# Allegro board 8880F5-0826_3.brd (continued)
## Routing (per net, layer and track width the routed paths; a pad name or vN(x,y) marks a point on that pad's centre or on a via; arc(x,y) is an arc through that point) (continued)
; D231.A4 193.04,372.57 ; D231.A4 193.85,373.38 ; D231.A4 192.23,373.38 ; 238.76,83.11 D321.A3 ; D321.A3 238.05,83.82 ; D321.A3 239.47,83.82 ; D321.A3 238.76,84.53 ; 161.85,71.12 D318.B2 ; D318.B2 162.56,71.83 ; D318.B2 163.27,71.12 ; D318.B2 162.56,70.41 ; 170.18,32.21 D120.A5 ; D120.A5 169.37,33.02 ; D120.A5 170.99,33.02 ; D120.A5 170.18,33.83 ; D305.A4 388.62,87.07 ; D305.A4 388.62,85.65 ; D305.A4 389.33,86.36 ; D305.A4 387.91,86.36 ; SITE4.G20 332.63,186.91 ; SITE4.G20 333.11,186.43 ; SITE4.G20 332.63,185.95 ; SITE4.G20 332.15,186.43 ; D431.B9 181.15,381 ; D431.B9 179.53,381 ; D431.B9 180.34,381.81 ; D431.B9 180.34,380.19 ; D114.A7 333.55,355.6 ; D114.A7 332.74,356.41 ; D114.A7 331.93,355.6 ; D114.A7 332.74,354.79 ; 175.26,88.19 D317.B7 ; D317.B7 175.97,88.9 ; D317.B7 174.55,88.9 ; D317.B7 175.26,89.61 ; 187.25,91.44 D317.B12 ; D317.B12 187.96,90.73 ; D317.B12 187.96,92.15 ; D317.B12 188.67,91.44 ; 111.76,93.17 D129.A11 ; D129.A11 112.57,93.98 ; D129.A11 111.76,94.79 ; D129.A11 110.95,93.98 ; 121.11,73.66 D130.A15 ; D130.A15 121.92,74.47 ; D130.A15 122.73,73.66 ; D130.A15 121.92,72.85 ; D322.A7 249.63,63.5 ; D322.A7 248.92,64.21 ; D322.A7 248.92,62.79 ; D322.A7 248.21,63.5 ; 194.77,58.42 D119.B15 ; D119.B15 195.58,59.23 ; D119.B15 195.58,57.61 ; D119.B15 196.39,58.42 ; D104.A11 332.74,33.83 ; D104.A11 332.74,32.21 ; D104.A11 331.93,33.02 ; D104.A11 333.55,33.02 ; D122.B8 252.27,81.28 ; D122.B8 251.46,82.09 ; D122.B8 251.46,80.47 ; D122.B8 250.65,81.28 ; D104.B13 337.82,38.91 ; D104.B13 337.01,38.1 ; D104.B13 338.63,38.1 ; D104.B13 337.82,37.29 ; D318.B3 165.1,69.29 ; D318.B3 164.39,68.58 ; D318.B3 165.81,68.58 ; D318.B3 165.1,67.87 ; 160.02,62.79 D318.A1 ; D318.A1 159.31,63.5 ; D318.A1 160.73,63.5 ; D318.A1 160.02,64.21 ; D127.A15 49.07,53.34 ; D127.A15 47.45,53.34 ; D127.A15 48.26,54.15 ; D127.A15 48.26,52.53 ; D302.B1 307.34,69.29 ; D302.B1 308.05,68.58 ; D302.B1 307.34,67.87 ; D302.B1 306.63,68.58 ; D131.B10 109.22,61.77 ; D131.B10 110.03,60.96 ; D131.B10 108.41,60.96 ; D131.B10 109.22,60.15 ; 174.45,410.21 DPS8.C11 ; DPS8.C11 175.26,411.02 ; DPS8.C11 175.26,409.4 ; DPS8.C11 176.07,410.21 ; D106.A1 381.81,73.66 ; D106.A1 381,72.85 ; D106.A1 381,74.47 ; D106.A1 380.19,73.66 ; D231.A11 175.26,376.73 ; D231.A11 175.26,375.11 ; D231.A11 176.07,375.92 ; D231.A11 174.45,375.92 ; D321.B2 236.93,91.44 ; D321.B2 236.22,92.15 ; D321.B2 236.22,90.73 ; D321.B2 235.51,91.44 ; D118.A5 170.99,73.66 ; D118.A5 169.37,73.66 ; D118.A5 170.18,72.85 ; D118.A5 170.18,74.47 ; SITE1.G20 253.11,246.43 ; SITE1.G20 252.15,246.43 ; SITE1.G20 252.63,246.91 ; SITE1.G20 252.63,245.95 ; D119.B7 176.07,58.42 ; D119.B7 174.45,58.42 ; D119.B7 175.26,59.23 ; D119.B7 175.26,57.61 ; 200.66,385.27 D431.A1 ; D431.A1 200.66,386.89 ; D431.A1 201.47,386.08 ; D431.A1 199.85,386.08 ; 316.79,88.9 D301.B5 ; D301.B5 318.21,88.9 ; D301.B5 317.5,88.19 ; D301.B5 317.5,89.61 ; 326.95,68.58 D302.B9 ; D302.B9 328.37,68.58 ; D302.B9 327.66,67.87 ; D302.B9 327.66,69.29 ; 390.45,68.58 D306.B5 ; D306.B5 391.16,67.87 ; D306.B5 391.87,68.58 ; D306.B5 391.16,69.29 ; D111.B14 388.62,369.11 ; D111.B14 388.62,367.49 ; D111.B14 389.43,368.3 ; D111.B14 387.81,368.3 ; D122.B2 236.22,82.09 ; D122.B2 236.22,80.47 ; D122.B2 237.03,81.28 ; D122.B2 235.41,81.28 ; 329.39,76.2 D102.A10 ; D102.A10 330.2,75.39 ; D102.A10 330.2,77.01 ; D102.A10 331.01,76.2 ; 388.62,392.89 D112.A14 ; D112.A14 388.62,394.51 ; D112.A14 387.81,393.7 ; D112.A14 389.43,393.7 ; D321.A1 233.68,84.53 ; D321.A1 233.68,83.11 ; D321.A1 232.97,83.82 ; D321.A1 234.39,83.82 ; 403.05,393.7 D112.A8 ; D112.A8 403.86,394.51 ; D112.A8 404.67,393.7 ; D112.A8 403.86,392.89 ; 271.78,70.41 D322.B16 ; D322.B16 271.78,71.83 ; D322.B16 272.49,71.12 ; D322.B16 271.07,71.12 ; D126.A12 40.64,77.01 ; D126.A12 39.83,76.2 ; D126.A12 41.45,76.2 ; D126.A12 40.64,75.39 ; D130.B8 104.14,82.09 ; D130.B8 103.33,81.28 ; D130.B8 104.14,80.47 ; D130.B8 104.95,81.28 ; SITE2.G19 331.43,246.91 ; SITE2.G19 330.95,246.43 ; SITE2.G19 331.43,245.95 ; SITE2.G19 331.91,246.43 ; 238.76,339.55 CSDPS425.C15 ; CSDPS425.C15 238.76,341.17 ; CSDPS425.C15 239.57,340.36 ; CSDPS425.C15 237.95,340.36 ; D120.A16 198.93,35.56 ; D120.A16 198.12,34.75 ; D120.A16 197.31,35.56 ; D120.A16 198.12,36.37 ; D119.A14 193.85,55.88 ; D119.A14 193.04,56.69 ; D119.A14 193.04,55.07 ; D119.A14 192.23,55.88 ; D130.B12 115.11,81.28 ; D130.B12 113.49,81.28 ; D130.B12 114.3,82.09 ; D130.B12 114.3,80.47 ; 319.23,40.64 D104.B6 ; D104.B6 320.04,39.83 ; D104.B6 320.04,41.45 ; D104.B6 320.85,40.64 ; 261.62,331.93 CSDPS225.B6 ; CSDPS225.B6 261.62,333.55 ; CSDPS225.B6 262.43,332.74 ; CSDPS225.B6 260.81,332.74 ; D125.A11 38.1,94.79 ; D125.A11 37.29,93.98 ; D125.A11 38.1,93.17 ; D125.A11 38.91,93.98 ; 337.11,88.9 D301.B13 ; D301.B13 338.53,88.9 ; D301.B13 337.82,89.61 ; D301.B13 337.82,88.19 ; 104.14,55.07 D131.A8 ; D131.A8 104.14,56.69 ; D131.A8 103.33,55.88 ; D131.A8 104.95,55.88 ; 161.75,332.74 CSDPS229.B16 ; CSDPS229.B16 162.56,333.55 ; CSDPS229.B16 163.37,332.74 ; CSDPS229.B16 162.56,331.93 ; 386.08,334.47 D109.A15 ; D109.A15 386.08,336.09 ; D109.A15 385.27,335.28 ; D109.A15 386.89,335.28 ; 309.07,327.66 D113.B16 ; D113.B16 310.69,327.66 ; D113.B16 309.88,326.85 ; D113.B16 309.88,328.47 ; 307.34,77.93 D102.B1 ; D102.B1 306.53,78.74 ; D102.B1 307.34,79.55 ; D102.B1 308.15,78.74 ; D131.A4 94.79,55.88 ; D131.A4 93.98,56.69 ; D131.A4 93.98,55.07 ; D131.A4 93.17,55.88 ; D125.A16 51.61,96.52 ; D125.A16 50.8,95.71 ; D125.A16 49.99,96.52 ; D125.A16 50.8,97.33 ; D302.A2 310.59,66.04 ; D302.A2 309.88,66.75 ; D302.A2 309.88,65.33 ; D302.A2 309.17,66.04 ; D431.B8 183.69,378.46 ; D431.B8 182.07,378.46 ; D431.B8 182.88,377.65 ; D431.B8 182.88,379.27 ; D129.B10 110.03,101.6 ; D129.B10 109.22,100.79 ; D129.B10 109.22,102.41 ; D129.B10 108.41,101.6 ; 99.06,80.47 D130.B6 ; D130.B6 99.87,81.28 ; D130.B6 99.06,82.09 ; D130.B6 98.25,81.28 ; D110.A14 388.62,353.87 ; D110.A14 388.62,352.25 ; D110.A14 387.81,353.06 ; D110.A14 389.43,353.06 ; D431.B5 190.5,381.81 ; D431.B5 191.31,381 ; D431.B5 190.5,380.19 ; D431.B5 189.69,381 ; 261.62,39.83 D124.B12 ; D124.B12 261.62,41.45 ; D124.B12 262.43,40.64 ; D124.B12 260.81,40.64 ; D130.B14 120.19,81.28 ; D130.B14 118.57,81.28 ; D130.B14 119.38,82.09 ; D130.B14 119.38,80.47 ; D107.B6 394.51,60.96 ; D107.B6 392.89,60.96 ; D107.B6 393.7,61.77 ; D107.B6 393.7,60.15 ; D118.A14 193.85,76.2 ; D118.A14 192.23,76.2 ; D118.A14 193.04,77.01 ; D118.A14 193.04,75.39 ; D231.B11 176.07,370.84 ; D231.B11 175.26,370.03 ; D231.B11 175.26,371.65 ; D231.B11 174.45,370.84 ; D122.B4 242.11,81.28 ; D122.B4 241.3,82.09 ; D122.B4 240.49,81.28 ; D122.B4 241.3,80.47 ; D119.B4 167.64,61.77 ; D119.B4 167.64,60.15 ; D119.B4 166.83,60.96 ; D119.B4 168.45,60.96 ; 314.15,373.38 D115.A14 ; D115.A14 314.96,372.57 ; D115.A14 314.96,374.19 ; D115.A14 315.77,373.38 ; D123.B1 234.49,58.42 ; D123.B1 233.68,59.23 ; D123.B1 232.87,58.42 ; D123.B1 233.68,57.61 ; 390.35,38.1 D108.B5 ; D108.B5 391.97,38.1 ; D108.B5 391.16,37.29 ; D108.B5 391.16,38.91 ; 321.77,410.21 DPS2.C11 ; DPS2.C11 323.39,410.21 ; DPS2.C11 322.58,411.02 ; DPS2.C11 322.58,409.4 ; 50.8,55.07 D127.A16 ; D127.A16 51.61,55.88 ; D127.A16 49.99,55.88 ; D127.A16 50.8,56.69 ; 159.21,33.02 D120.A1 ; D120.A1 160.83,33.02 ; D120.A1 160.02,32.21 ; D120.A1 160.02,33.83 ; D104.A4 315.77,35.56 ; D104.A4 314.96,34.75 ; D104.A4 314.15,35.56 ; D104.A4 314.96,36.37 ; 261.62,85.65 D321.A12 ; D321.A12 261.62,87.07 ; D321.A12 262.33,86.36 ; D321.A12 260.91,86.36 ; 256.54,342.09 CSDPS425.B8 ; CSDPS425.B8 255.73,342.9 ; CSDPS425.B8 257.35,342.9 ; CSDPS425.B8 256.54,343.71 ; D114.A5 337.82,356.41 ; D114.A5 337.82,354.79 ; D114.A5 337.01,355.6 ; D114.A5 338.63,355.6 ; D111.B10 398.78,369.11 ; D111.B10 399.59,368.3 ; D111.B10 397.97,368.3 ; D111.B10 398.78,367.49 ; 319.23,388.62 D116.B12 ; D116.B12 320.85,388.62 ; D116.B12 320.04,387.81 ; D116.B12 320.04,389.43 ; 415.75,375.92 D111.A3 ; D111.A3 417.37,375.92 ; D111.A3 416.56,376.73 ; D111.A3 416.56,375.11 ; D125.B7 28.75,99.06 ; D125.B7 27.94,98.25 ; D125.B7 27.94,99.87 ; D125.B7 27.13,99.06 ; D231.A7 185.42,376.73 ; D231.A7 185.42,375.11 ; D231.A7 186.23,375.92 ; D231.A7 184.61,375.92 ; 24.59,60.96 D127.B6 ; D127.B6 25.4,60.15 ; D127.B6 25.4,61.77 ; D127.B6 26.21,60.96 ; SITE2.G12 333.81,247.93 ; SITE2.G12 332.85,247.93 ; SITE2.G12 333.33,248.41 ; SITE2.G12 333.33,247.45 ; 269.24,57.61 D123.B15 ; D123.B15 269.24,59.23 ; D123.B15 270.05,58.42 ; D123.B15 268.43,58.42 ; 165.1,32.21 D120.A3 ; D120.A3 164.29,33.02 ; D120.A3 165.91,33.02 ; D120.A3 165.1,33.83 ; 19.51,60.96 D127.B4 ; D127.B4 21.13,60.96 ; D127.B4 20.32,60.15 ; D127.B4 20.32,61.77 ; 405.59,396.24 D112.A7 ; D112.A7 406.4,395.43 ; D112.A7 407.21,396.24 ; D112.A7 406.4,397.05 ; 233.68,13.16 DPS3.A01 ; DPS3.A01 232.87,13.97 ; DPS3.A01 234.49,13.97 ; DPS3.A01 233.68,14.78 ; 405.59,375.92 D111.A7 ; D111.A7 407.21,375.92 ; D111.A7 406.4,376.73 ; D111.A7 406.4,375.11 ; D115.A9 327.66,376.73 ; D115.A9 326.85,375.92 ; D115.A9 327.66,375.11 ; D115.A9 328.47,375.92 ; D322.A1 233.68,64.21 ; D322.A1 234.39,63.5 ; D322.A1 233.68,62.79 ; D322.A1 232.97,63.5 ; CSDPS229.C13 170.99,330.2 ; CSDPS229.C13 170.18,329.39 ; CSDPS229.C13 170.18,331.01 ; CSDPS229.C13 169.37,330.2 ; D123.B3 239.57,58.42 ; D123.B3 237.95,58.42 ; D123.B3 238.76,57.61 ; D123.B3 238.76,59.23 ; D131.B15 122.73,58.42 ; D131.B15 121.11,58.42 ; D131.B15 121.92,57.61 ; D131.B15 121.92,59.23 ; 395.53,63.5 D306.A7 ; D306.A7 396.24,62.79 ; D306.A7 396.95,63.5 ; D306.A7 396.24,64.21 ; D102.B2 310.69,81.28 ; D102.B2 309.07,81.28 ; D102.B2 309.88,82.09 ; D102.B2 309.88,80.47 ; D102.A9 327.66,74.47 ; D102.A9 327.66,72.85 ; D102.A9 328.47,73.66 ; D102.A9 326.85,73.66 ; D231.B15 165.91,370.84 ; D231.B15 164.29,370.84 ; D231.B15 165.1,371.65 ; D231.B15 165.1,370.03 ; 415.75,19.05 DPS1.C15 ; DPS1.C15 417.37,19.05 ; DPS1.C15 416.56,19.86 ; DPS1.C15 416.56,18.24 ; D112.A11 396.24,397.05 ; D112.A11 397.05,396.24 ; D112.A11 395.43,396.24 ; D112.A11 396.24,395.43 ; D318.A3 165.81,63.5 ; D318.A3 165.1,62.79 ; D318.A3 164.39,63.5 ; D318.A3 165.1,64.21 ; 411.48,72.85 D106.A13 ; D106.A13 410.67,73.66 ; D106.A13 411.48,74.47 ; D106.A13 412.29,73.66 ; 245.67,91.44 D321.B6 ; D321.B6 247.09,91.44 ; D321.B6 246.38,90.73 ; D321.B6 246.38,92.15 ; 347.17,330.2 D113.B1 ; D113.B1 347.98,331.01 ; D113.B1 347.98,329.39 ; D113.B1 348.79,330.2 ; 325.12,387.81 D116.B10 ; D116.B10 324.31,388.62 ; D116.B10 325.93,388.62 ; D116.B10 325.12,389.43 ; D107.B16 419.1,61.77 ; D107.B16 418.29,60.96 ; D107.B16 419.91,60.96 ; D107.B16 419.1,60.15 ; D113.A6 336.09,332.74 ; D113.A6 334.47,332.74 ; D113.A6 335.28,331.93 ; D113.A6 335.28,333.55 ; D318.B13 190.5,69.29 ; D318.B13 190.5,67.87 ; D318.B13 189.79,68.58 ; D318.B13 191.21,68.58 ; DPS8.A05 190.5,416.1 ; DPS8.A05 191.31,415.29 ; DPS8.A05 190.5,414.48 ; DPS8.A05 189.69,415.29 ; D107.A14 414.83,55.88 ; D107.A14 414.02,55.07 ; D107.A14 414.02,56.69 ; D107.A14 413.21,55.88 ; D301.B10 330.2,92.15 ; D301.B10 329.49,91.44 ; D301.B10 330.91,91.44 ; D301.B10 330.2,90.73 ; 408.13,60.96 D107.B12 ; D107.B12 409.75,60.96 ; D107.B12 408.94,61.77 ; D107.B12 408.94,60.15 ; 347.98,375.11 D115.A1 ; D115.A1 348.79,375.92 ; D115.A1 347.17,375.92 ; D115.A1 347.98,376.73 ; 172.72,75.39 D118.A6 ; D118.A6 173.53,76.2 ; D118.A6 172.72,77.01 ; D118.A6 171.91,76.2 ; D122.B7 249.73,78.74 ; D122.B7 248.92,79.55 ; D122.B7 248.11,78.74 ; D122.B7 248.92,77.93 ; 116.84,72.85 D130.A13 ; D130.A13 117.65,73.66 ; D130.A13 116.84,74.47 ; D130.A13 116.03,73.66 ; 322.58,37.29 D104.B7 ; D104.B7 321.77,38.1 ; D104.B7 322.58,38.91 ; D104.B7 323.39,38.1 ; D301.B3 312.42,89.61 ; D301.B3 313.13,88.9 ; D301.B3 312.42,88.19 ; D301.B3 311.71,88.9 ; 14.43,96.52 D125.A2 ; D125.A2 16.05,96.52 ; D125.A2 15.24,97.33 ; D125.A2 15.24,95.71 ; D306.B12 409.65,71.12 ; D306.B12 408.94,70.41 ; D306.B12 408.94,71.83 ; D306.B12 408.23,71.12 ; SITE1.G9 250.33,248.41 ; SITE1.G9 249.85,247.93 ; SITE1.G9 250.33,247.45 ; SITE1.G9 250.81,247.93 ; D115.A11 322.58,376.73 ; D115.A11 323.39,375.92 ; D115.A11 321.77,375.92 ; D115.A11 322.58,375.11 ; SITE1.G15 251.91,242.83 ; SITE1.G15 251.43,242.35 ; SITE1.G15 250.95,242.83 ; SITE1.G15 251.43,243.31 ; 245.57,60.96 D123.B6 ; D123.B6 246.38,60.15 ; D123.B6 246.38,61.77 ; D123.B6 247.19,60.96 ; 166.93,86.36 D317.A4 ; D317.A4 167.64,87.07 ; D317.A4 168.35,86.36 ; D317.A4 167.64,85.65 ; D123.B14 267.51,60.96 ; D123.B14 266.7,61.77 ; D123.B14 266.7,60.15 ; D123.B14 265.89,60.96 ; D431.A5 190.5,386.89 ; D431.A5 189.69,386.08 ; D431.A5 191.31,386.08 ; D431.A5 190.5,385.27 ; 251.46,342.09 CSDPS425.B10 ; CSDPS425.B10 250.65,342.9 ; CSDPS425.B10 252.27,342.9 ; CSDPS425.B10 251.46,343.71 ; 252.85,247.93 SITE1.G12 ; SITE1.G12 253.81,247.93 ; SITE1.G12 253.33,248.41 ; SITE1.G12 253.33,247.45 ; 419.1,352.25 D110.A2 ; D110.A2 418.29,353.06 ; D110.A2 419.91,353.06 ; D110.A2 419.1,353.87 ; 408.94,326.85 D109.B6 ; D109.B6 408.13,327.66 ; D109.B6 409.75,327.66 ; D109.B6 408.94,328.47 ; D306.B8 398.78,71.83 ; D306.B8 399.49,71.12 ; D306.B8 398.78,70.41 ; D306.B8 398.07,71.12 ; D301.B1 308.05,88.9 ; D301.B1 307.34,88.19 ; D301.B1 306.63,88.9 ; D301.B1 307.34,89.61 ; 251.46,34.75 D124.A8 ; D124.A8 252.27,35.56 ; D124.A8 251.46,36.37 ; D124.A8 250.65,35.56 ; 311.71,63.5 D302.A3 ; D302.A3 313.13,63.5 ; D302.A3 312.42,64.21 ; D302.A3 312.42,62.79 ; 418.29,81.28 D106.B16 ; D106.B16 419.1,80.47 ; D106.B16 419.91,81.28 ; D106.B16 419.1,82.09 ; 312.42,37.29 D104.B3 ; D104.B3 313.23,38.1 ; D104.B3 311.61,38.1 ; D104.B3 312.42,38.91 ; 44.91,40.64 D128.B14 ; D128.B14 45.72,41.45 ; D128.B14 46.53,40.64 ; D128.B14 45.72,39.83 ; D103.A3 313.23,53.34 ; D103.A3 311.61,53.34 ; D103.A3 312.42,54.15 ; D103.A3 312.42,52.53 ; D114.A15 313.23,355.6 ; D114.A15 312.42,356.41 ; D114.A15 312.42,354.79 ; D114.A15 311.61,355.6 ; D131.A10 110.03,55.88 ; D131.A10 109.22,55.07 ; D131.A10 108.41,55.88 ; D131.A10 109.22,56.69 ; DPS3.A11 259.89,13.97 ; DPS3.A11 258.27,13.97 ; DPS3.A11 259.08,13.16 ; DPS3.A11 259.08,14.78 ; D317.B3 165.1,89.61 ; D317.B3 164.39,88.9 ; D317.B3 165.1,88.19 ; D317.B3 165.81,88.9 ; 481.65,185.11 UNK4U1.4 ; UNK4U1.4 483.53,185.11 ; UNK4U1.4 482.59,186.05 ; UNK4U1.4 482.59,184.17 ; 420.83,370.84 D111.B1 ; D111.B1 422.45,370.84 ; D111.B1 421.64,371.65 ; D111.B1 421.64,370.03 ; 20.32,75.39 D126.A4 ; D126.A4 21.13,76.2 ; D126.A4 19.51,76.2 ; D126.A4 20.32,77.01 ; 263.35,78.74 D122.B13 ; D122.B13 264.16,79.55 ; D122.B13 264.97,78.74 ; D122.B13 264.16,77.93 ; D110.B6 409.75,347.98 ; D110.B6 408.13,347.98 ; D110.B6 408.94,348.79 ; D110.B6 408.94,347.17 ; D111.B16 384.35,368.3 ; D111.B16 383.54,369.11 ; D111.B16 383.54,367.49 ; D111.B16 382.73,368.3 ; D113.B14 314.96,328.47 ; D113.B14 314.96,326.85 ; D113.B14 315.77,327.66 ; D113.B14 314.15,327.66 ; 321.77,58.42 D103.B7 ; D103.B7 322.58,57.61 ; D103.B7 323.39,58.42 ; D103.B7 322.58,59.23 ; 414.02,367.49 D111.B4 ; D111.B4 414.83,368.3 ; D111.B4 414.02,369.11 ; D111.B4 413.21,368.3 ; D124.A4 242.11,35.56 ; D124.A4 240.49,35.56 ; D124.A4 241.3,34.75 ; D124.A4 241.3,36.37 ; 16.97,73.66 D126.A3 ; D126.A3 17.78,72.85 ; D126.A3 18.59,73.66 ; D126.A3 17.78,74.47 ; 418.29,332.74 D109.A2 ; D109.A2 419.91,332.74 ; D109.A2 419.1,331.93 ; D109.A2 419.1,333.55 ; 309.88,387.81 D116.B16 ; D116.B16 309.88,389.43 ; D116.B16 310.69,388.62 ; D116.B16 309.07,388.62 ; D122.B5 243.84,79.55 ; D122.B5 243.84,77.93 ; D122.B5 243.03,78.74 ; D122.B5 244.65,78.74 ; 416.56,52.53 D107.A15 ; D107.A15 416.56,54.15 ; D107.A15 415.75,53.34 ; D107.A15 417.37,53.34 ; 29.67,96.52 D125.A8 ; D125.A8 30.48,97.33 ; D125.A8 30.48,95.71 ; D125.A8 31.29,96.52 ; 11.89,73.66 D126.A1 ; D126.A1 13.51,73.66 ; D126.A1 12.7,72.85 ; D126.A1 12.7,74.47 ; D132.A6 99.06,36.37 ; D132.A6 99.87,35.56 ; D132.A6 98.25,35.56 ; D132.A6 99.06,34.75 ; 263.45,83.82 D321.A13 ; D321.A13 264.16,83.11 ; D321.A13 264.87,83.82 ; D321.A13 264.16,84.53 ; D118.A2 162.56,77.01 ; D118.A2 161.75,76.2 ; D118.A2 162.56,75.39 ; D118.A2 163.37,76.2 ; D114.A9 328.47,355.6 ; D114.A9 327.66,356.41 ; D114.A9 326.85,355.6 ; D114.A9 327.66,354.79 ; 184.61,38.1 D120.B11 ; D120.B11 185.42,38.91 ; D120.B11 185.42,37.29 ; D120.B11 186.23,38.1 ; D126.B4 21.13,81.28 ; D126.B4 20.32,82.09 ; D126.B4 20.32,80.47 ; D126.B4 19.51,81.28 ; D301.B15 342.9,89.61 ; D301.B15 342.9,88.19 ; D301.B15 343.61,88.9 ; D301.B15 342.19,88.9 ; D103.B15 342.9,59.23 ; D103.B15 343.71,58.42 ; D103.B15 342.9,57.61 ; D103.B15 342.09,58.42 ; 246.38,85.65 D321.A6 ; D321.A6 245.67,86.36 ; D321.A6 246.38,87.07 ; D321.A6 247.09,86.36 ; D431.A9 181.15,386.08 ; D431.A9 180.34,386.89 ; D431.A9 179.53,386.08 ; D431.A9 180.34,385.27 ; 182.07,383.54 D431.A8 ; D431.A8 182.88,384.35 ; D431.A8 182.88,382.73 ; D431.A8 183.69,383.54 ; D302.B5 318.21,68.58 ; D302.B5 317.5,69.29 ; D302.B5 316.79,68.58 ; D302.B5 317.5,67.87 ; 337.82,375.11 D115.A5 ; D115.A5 337.01,375.92 ; D115.A5 338.63,375.92 ; D115.A5 337.82,376.73 ; D102.B9 328.47,78.74 ; D102.B9 327.66,79.55 ; D102.B9 327.66,77.93 ; D102.B9 326.85,78.74 ; D107.B7 396.24,59.23 ; D107.B7 396.24,57.61 ; D107.B7 397.05,58.42 ; D107.B7 395.43,58.42 ; D109.A6 408.94,333.55 ; D109.A6 409.75,332.74 ; D109.A6 408.94,331.93 ; D109.A6 408.13,332.74 ; D109.B13 391.97,330.2 ; D109.B13 390.35,330.2 ; D109.B13 391.16,331.01 ; D109.B13 391.16,329.39 ; CSDPS229.C7 186.23,330.2 ; CSDPS229.C7 185.42,331.01 ; CSDPS229.C7 185.42,329.39 ; CSDPS229.C7 184.61,330.2 ; 194.87,68.58 D318.B15 ; D318.B15 195.58,69.29 ; D318.B15 195.58,67.87 ; D318.B15 196.29,68.58 ; D114.A3 342.9,356.41 ; D114.A3 343.71,355.6 ; D114.A3 342.9,354.79 ; D114.A3 342.09,355.6 ; D115.B12 320.85,368.3 ; D115.B12 320.04,367.49 ; D115.B12 320.04,369.11 ; D115.B12 319.23,368.3 ; 162.56,342.09 CSDPS429.B16 ; CSDPS429.B16 161.75,342.9 ; CSDPS429.B16 162.56,343.71 ; CSDPS429.B16 163.37,342.9 ; 182.17,66.04 D318.A10 ; D318.A10 182.88,65.33 ; D318.A10 183.59,66.04 ; D318.A10 182.88,66.75 ; D106.A16 419.91,76.2 ; D106.A16 418.29,76.2 ; D106.A16 419.1,77.01 ; D106.A16 419.1,75.39 ; 259.08,18.24 DPS3.C11 ; DPS3.C11 258.27,19.05 ; DPS3.C11 259.08,19.86 ; DPS3.C11 259.89,19.05 ; D129.A7 102.41,93.98 ; D129.A7 100.79,93.98 ; D129.A7 101.6,93.17 ; D129.A7 101.6,94.79 ; 243.84,37.29 D124.B5 ; D124.B5 243.03,38.1 ; D124.B5 243.84,38.91 ; D124.B5 244.65,38.1 ; D129.B14 120.19,101.6 ; D129.B14 119.38,102.41 ; D129.B14 118.57,101.6 ; D129.B14 119.38,100.79 ; D118.B10 182.88,82.09 ; D118.B10 182.88,80.47 ; D118.B10 183.69,81.28 ; D118.B10 182.07,81.28 ; 169.37,386.08 D431.A13 ; D431.A13 170.18,386.89 ; D431.A13 170.18,385.27 ; D431.A13 170.99,386.08 ; SITE3.G8 249.81,187.93 ; SITE3.G8 249.33,188.41 ; SITE3.G8 249.33,187.45 ; SITE3.G8 248.85,187.93 ; D114.B11 323.39,350.52 ; D114.B11 322.58,351.33 ; D114.B11 322.58,349.71 ; D114.B11 321.77,350.52 ; 199.85,381 D431.B1 ; D431.B1 200.66,380.19 ; D431.B1 200.66,381.81 ; D431.B1 201.47,381 ; 386.08,77.93 D106.B3 ; D106.B3 386.08,79.55 ; D106.B3 386.89,78.74 ; D106.B3 385.27,78.74 ; 25.4,34.75 D128.A6 ; D128.A6 24.59,35.56 ; D128.A6 25.4,36.37 ; D128.A6 26.21,35.56 ; 413.31,86.36 D305.A14 ; D305.A14 414.73,86.36 ; D305.A14 414.02,87.07 ; D305.A14 414.02,85.65 ; D125.A14 45.72,97.33 ; D125.A14 46.53,96.52 ; D125.A14 44.91,96.52 ; D125.A14 45.72,95.71 ; 321.77,33.02 D104.A7 ; D104.A7 322.58,33.83 ; D104.A7 323.39,33.02 ; D104.A7 322.58,32.21 ; 187.15,81.28 D118.B12 ; D118.B12 187.96,82.09 ; D118.B12 188.77,81.28 ; D118.B12 187.96,80.47 ; 403.05,332.74 D109.A8 ; D109.A8 403.86,331.93 ; D109.A8 403.86,333.55 ; D109.A8 404.67,332.74 ; 38.1,57.61 D127.B11 ; D127.B11 37.29,58.42 ; D127.B11 38.1,59.23 ; D127.B11 38.91,58.42 ; 40.64,55.07 D127.A12 ; D127.A12 41.45,55.88 ; D127.A12 39.83,55.88 ; D127.A12 40.64,56.69 ; D110.B7 407.21,350.52 ; D110.B7 405.59,350.52 ; D110.B7 406.4,349.71 ; D110.B7 406.4,351.33 ; 411.48,395.43 D112.A5 ; D112.A5 412.29,396.24 ; D112.A5 410.67,396.24 ; D112.A5 411.48,397.05 ; 40.64,34.75 D128.A12 ; D128.A12 39.83,35.56 ; D128.A12 40.64,36.37 ; D128.A12 41.45,35.56 ; 172.72,60.15 D119.B6 ; D119.B6 173.53,60.96 ; D119.B6 171.91,60.96 ; D119.B6 172.72,61.77 ; 386.08,395.43 D112.A15 ; D112.A15 386.08,397.05 ; D112.A15 386.89,396.24 ; D112.A15 385.27,396.24 ; D115.A7 333.55,375.92 ; D115.A7 331.93,375.92 ; D115.A7 332.74,375.11 ; D115.A7 332.74,376.73 ; D131.B2 89.71,60.96 ; D131.B2 88.9,60.15 ; D131.B2 88.9,61.77 ; D131.B2 88.09,60.96 ; D127.B5 22.86,59.23 ; D127.B5 22.05,58.42 ; D127.B5 23.67,58.42 ; D127.B5 22.86,57.61 ; SITE1.G17 249.51,246.43 ; SITE1.G17 249.03,245.95 ; SITE1.G17 249.03,246.91 ; SITE1.G17 248.55,246.43 ; 263.35,340.36 CSDPS425.C5 ; CSDPS425.C5 264.97,340.36 ; CSDPS425.C5 264.16,341.17 ; CSDPS425.C5 264.16,339.55 ; 258.27,53.34 D123.A11 ; D123.A11 259.08,54.15 ; D123.A11 259.89,53.34 ; D123.A11 259.08,52.53 ; D106.B15 417.37,78.74 ; D106.B15 415.75,78.74 ; D106.B15 416.56,77.93 ; D106.B15 416.56,79.55 ; 189.69,78.74 D118.B13 ; D118.B13 191.31,78.74 ; D118.B13 190.5,79.55 ; D118.B13 190.5,77.93 ; D131.A3 91.44,54.15 ; D131.A3 90.63,53.34 ; D131.A3 92.25,53.34 ; D131.A3 91.44,52.53 ; D322.A6 246.38,66.75 ; D322.A6 245.67,66.04 ; D322.A6 246.38,65.33 ; D322.A6 247.09,66.04 ; 175.26,77.93 D118.B7 ; D118.B7 174.45,78.74 ; D118.B7 176.07,78.74 ; D118.B7 175.26,79.55 ; 116.84,32.21 D132.A13 ; D132.A13 116.03,33.02 ; D132.A13 117.65,33.02 ; D132.A13 116.84,33.83 ; 328.33,187.45 SITE4.G7 ; SITE4.G7 327.85,187.93 ; SITE4.G7 328.33,188.41 ; SITE4.G7 328.81,187.93 ; 396.24,354.79 D110.A11 ; D110.A11 395.43,355.6 ; D110.A11 396.24,356.41 ; D110.A11 397.05,355.6 ; D317.B1 160.73,88.9 ; D317.B1 159.31,88.9 ; D317.B1 160.02,88.19 ; D317.B1 160.02,89.61 ; D318.B4 168.35,71.12 ; D318.B4 167.64,71.83 ; D318.B4 166.93,71.12 ; D318.B4 167.64,70.41 ; D111.A4 414.83,373.38 ; D111.A4 414.02,372.57 ; D111.A4 413.21,373.38 ; D111.A4 414.02,374.19 ; 190.5,375.11 D231.A5 ; D231.A5 191.31,375.92 ; D231.A5 190.5,376.73 ; D231.A5 189.69,375.92 ; D124.A12 262.43,35.56 ; D124.A12 261.62,36.37 ; D124.A12 260.81,35.56 ; D124.A12 261.62,34.75 ; 482.49,170.56 UNK4U2.4 ; UNK4U2.4 482.49,172.45 ; UNK4U2.4 481.55,171.51 ; UNK4U2.4 483.43,171.51 ; 248.55,186.43 SITE3.G17 ; SITE3.G17 249.03,186.91 ; SITE3.G17 249.51,186.43 ; SITE3.G17 249.03,185.95 ; D108.B10 403.86,41.45 ; D108.B10 404.67,40.64 ; D108.B10 403.05,40.64 ; D108.B10 403.86,39.83 ; D305.A12 408.94,87.07 ; D305.A12 408.23,86.36 ; D305.A12 408.94,85.65 ; D305.A12 409.65,86.36 ; 416.56,37.29 D108.B15 ; D108.B15 415.75,38.1 ; D108.B15 416.56,38.91 ; D108.B15 417.37,38.1 ; SITE3.G19 251.43,186.91 ; SITE3.G19 250.95,186.43 ; SITE3.G19 251.91,186.43 ; SITE3.G19 251.43,185.95 ; D317.A7 175.26,84.53 ; D317.A7 175.26,83.11 ; D317.A7 175.97,83.82 ; D317.A7 174.55,83.82 ; D106.B5 391.97,78.74 ; D106.B5 391.16,79.55 ; D106.B5 391.16,77.93 ; D106.B5 390.35,78.74 ; SITE2.G4 331.81,241.33 ; SITE2.G4 331.33,241.81 ; SITE2.G4 331.33,240.85 ; SITE2.G4 330.85,241.33 ; D301.A16 346.15,86.36 ; D301.A16 345.44,87.07 ; D301.A16 345.44,85.65 ; D301.A16 344.73,86.36 ; 329.49,86.36 D301.A10 ; D301.A10 330.2,85.65 ; D301.A10 330.2,87.07 ; D301.A10 330.91,86.36 ; 14.43,81.28 D126.B2 ; D126.B2 15.24,82.09 ; D126.B2 15.24,80.47 ; D126.B2 16.05,81.28 ; D132.B14 119.38,41.45 ; D132.B14 120.19,40.64 ; D132.B14 118.57,40.64 ; D132.B14 119.38,39.83 ; 45.72,55.07 D127.A14 ; D127.A14 46.53,55.88 ; D127.A14 45.72,56.69 ; D127.A14 44.91,55.88 ; D123.A2 237.03,55.88 ; D123.A2 236.22,55.07 ; D123.A2 236.22,56.69 ; D123.A2 235.41,55.88 ; D114.B4 341.17,347.98 ; D114.B4 340.36,348.79 ; D114.B4 340.36,347.17 ; D114.B4 339.55,347.98 ; 316.69,370.84 D115.B13 ; D115.B13 317.5,371.65 ; D115.B13 318.31,370.84 ; D115.B13 317.5,370.03 ; D109.A5 411.48,336.09 ; D109.A5 410.67,335.28 ; D109.A5 412.29,335.28 ; D109.A5 411.48,334.47 ; 337.01,410.21 DPS2.C05 ; DPS2.C05 337.82,409.4 ; DPS2.C05 337.82,411.02 ; DPS2.C05 338.63,410.21 ; D129.A6 99.06,97.33 ; D129.A6 99.06,95.71 ; D129.A6 98.25,96.52 ; D129.A6 99.87,96.